# Altium PCB openservo_tessellated.PcbDoc (part 3 of 13) (continued)
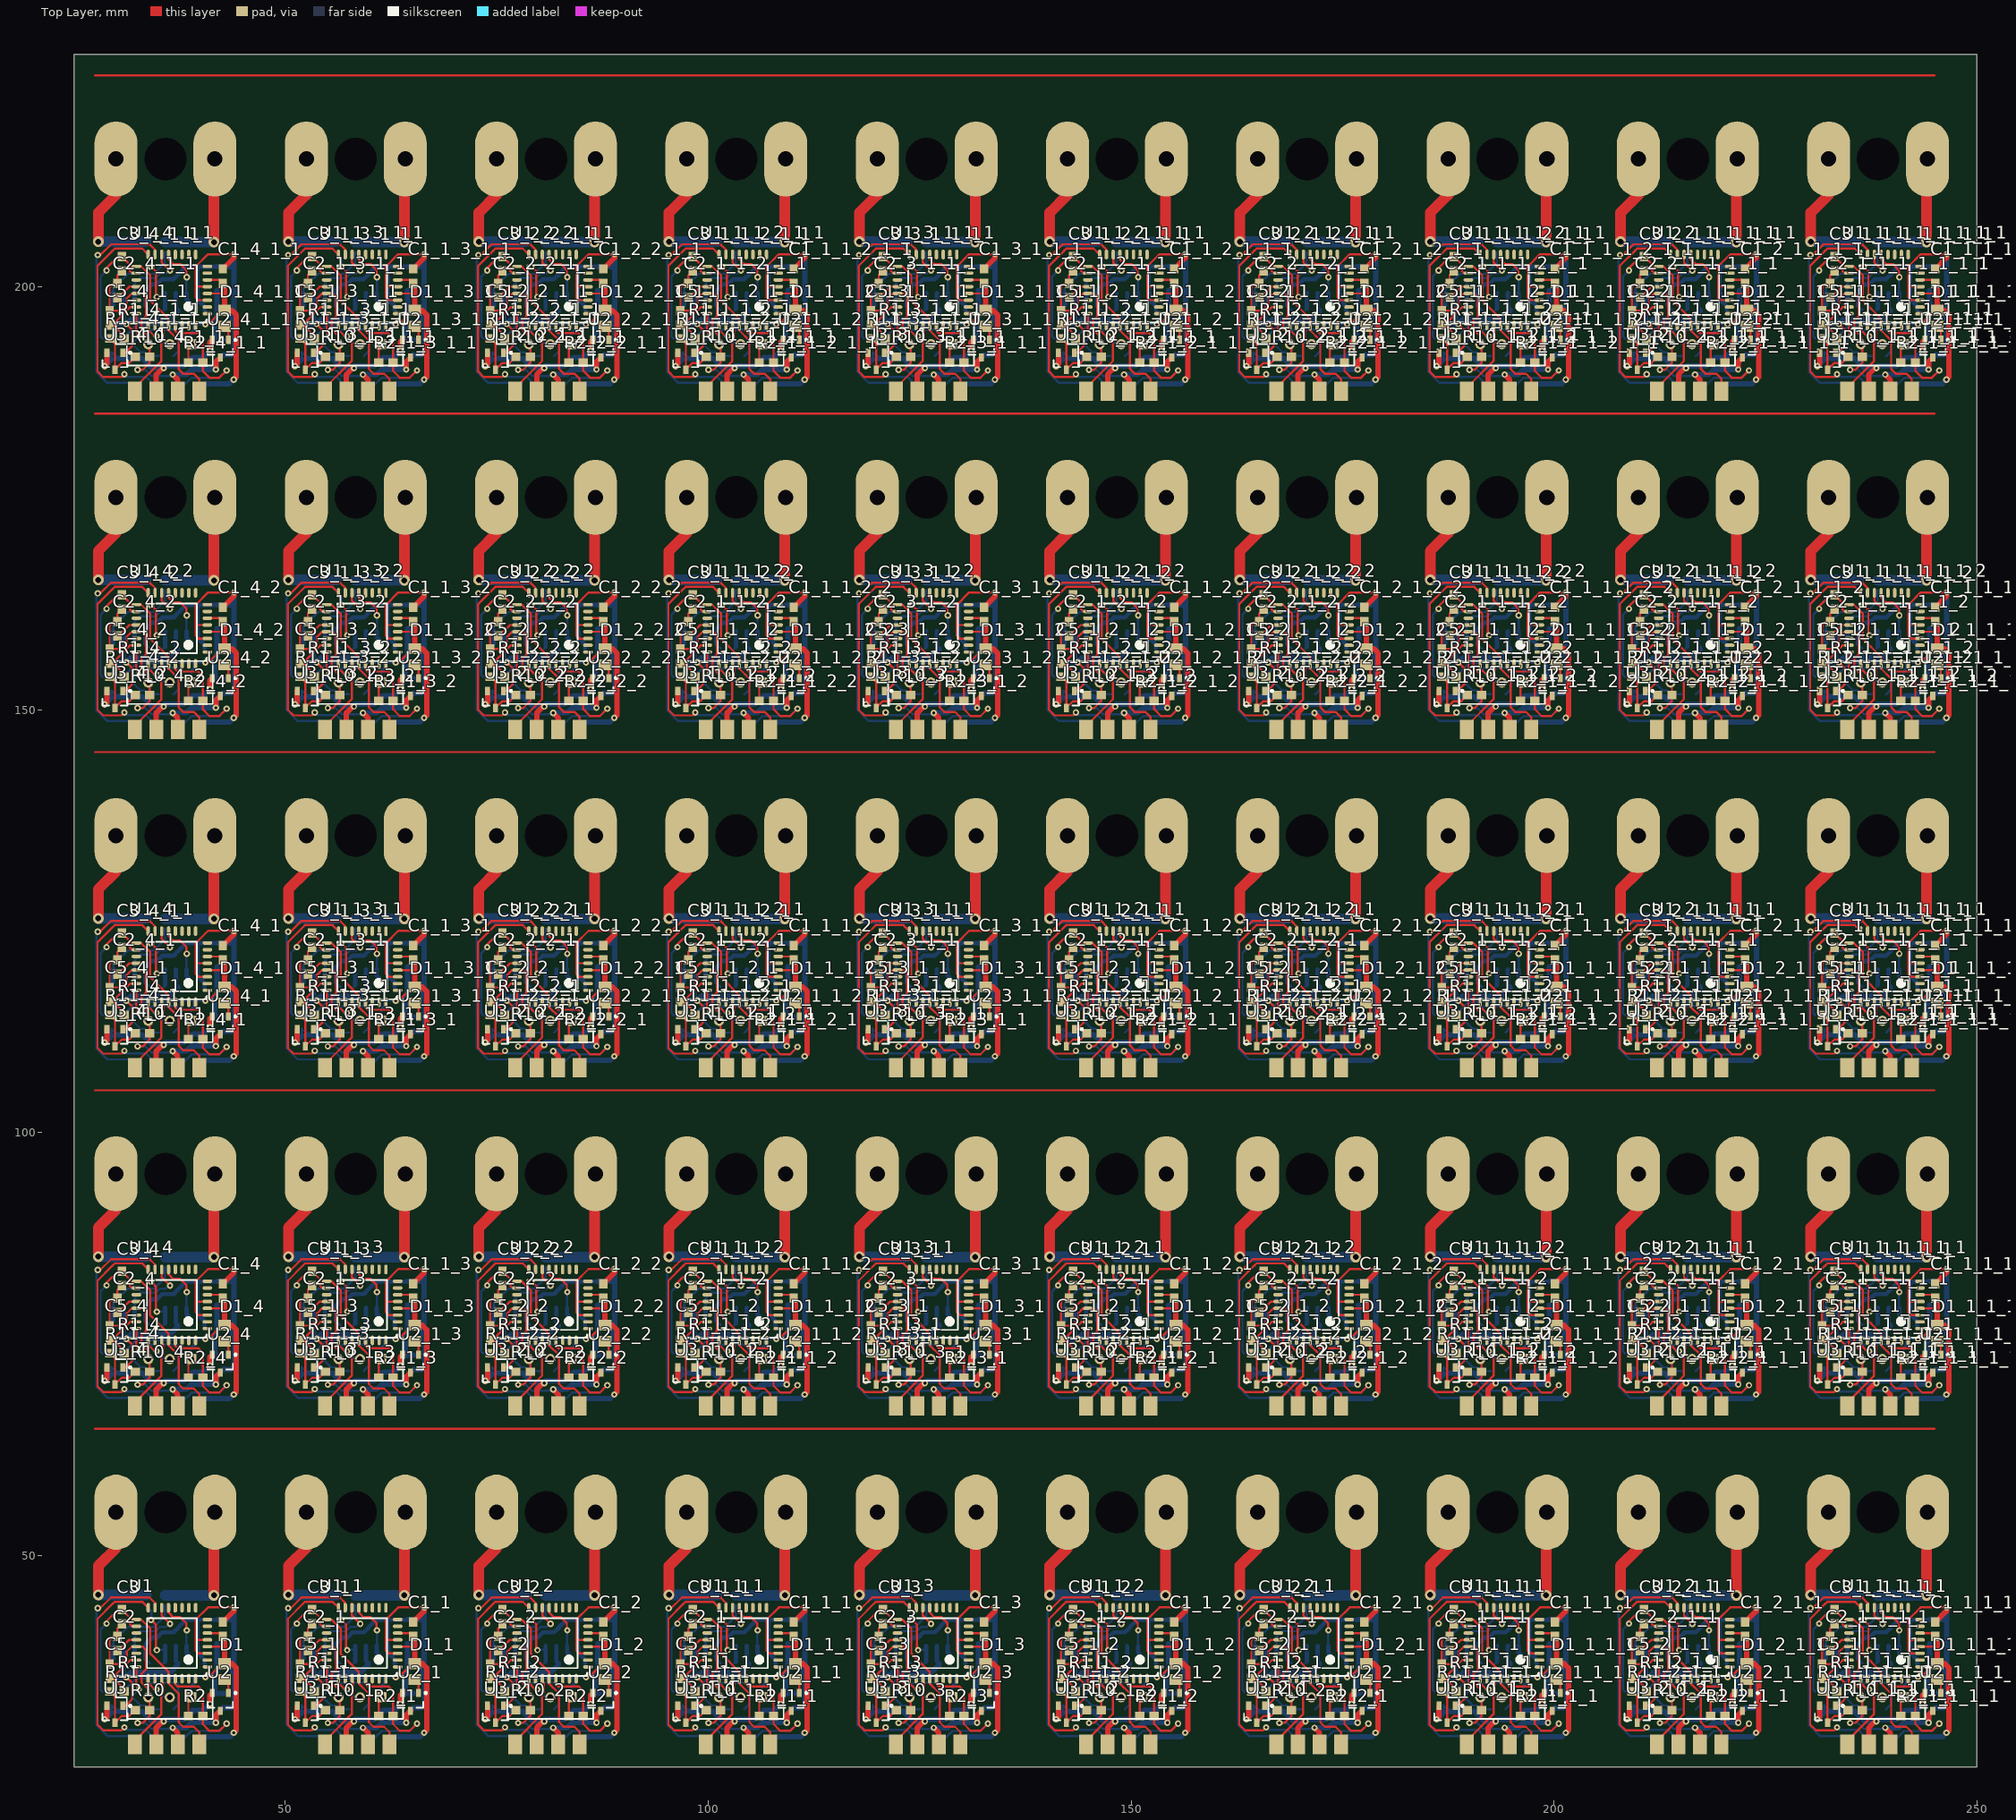
[diagram p0: Top Layer view]
## Part data (continued)
U1 U1_1 U1_1_1 U1_1_1_1 U1_1_1_1_1 U1_1_1_1_1_1 U1_1_1_1_1_1_1 U1_1_1_1_1_1_1_1 U1_1_1_1_1_1_2 U1_1_1_1_2 U1_1_1_1_2_1 U1_1_1_1_2_1_1 U1_1_1_1_2_2 U1_1_1_2 U1_1_1_2_1 U1_1_1_2_1_1 U1_1_1_2_2 U1_1_2 U1_1_2_1 U1_1_2_1_1 U1_1_2_1_1_1 U1_1_2_1_2 U1_1_3 U1_1_3_1 U1_1_3_1_1 U1_1_3_2 U1_2 U1_2_1 U1_2_1_1 U1_2_1_1_1 U1_2_1_1_1_1 U1_2_1_1_1_1_1 U1_2_1_1_1_2 U1_2_1_2 U1_2_1_2_1 U1_2_1_2_1_1 U1_2_1_2_2 U1_2_2 U1_2_2_1 U1_2_2_1_1 U1_2_2_2 U1_3 U1_3_1 U1_3_1_1 U1_3_1_1_1 U1_3_1_2 U1_4 U1_4_1 U1_4_1_1 U1_4_2: "8-Bit AVR Microcontroller with 8K Bytes of In-System Programmable Flash Memory"
U2 U2_1 U2_1_1 U2_1_1_1 U2_1_1_1_1 U2_1_1_1_1_1 U2_1_1_1_1_1_1 U2_1_1_1_1_1_1_1 U2_1_1_1_1_1_2 U2_1_1_1_2 U2_1_1_1_2_1 U2_1_1_1_2_1_1 U2_1_1_1_2_2 U2_1_1_2 U2_1_1_2_1 U2_1_1_2_1_1 U2_1_1_2_2 U2_1_2 U2_1_2_1 U2_1_2_1_1 U2_1_2_1_1_1 U2_1_2_1_2 U2_1_3 U2_1_3_1 U2_1_3_1_1 U2_1_3_2 U2_2 U2_2_1 U2_2_1_1 U2_2_1_1_1 U2_2_1_1_1_1 U2_2_1_1_1_1_1 U2_2_1_1_1_2 U2_2_1_2 U2_2_1_2_1 U2_2_1_2_1_1 U2_2_1_2_2 U2_2_2 U2_2_2_1 U2_2_2_1_1 U2_2_2_2 U2_3 U2_3_1 U2_3_1_1 U2_3_1_1_1 U2_3_1_2 U2_4 U2_4_1 U2_4_1_1 U2_4_2: "100 mA, SOT-23, Quasi Low-Dropout Linear Voltage Regulator"
U3 U3_1 U3_1_1 U3_1_1_1 U3_1_1_1_1 U3_1_1_1_1_1 U3_1_1_1_1_1_1 U3_1_1_1_1_1_1_1 U3_1_1_1_1_1_2 U3_1_1_1_2 U3_1_1_1_2_1 U3_1_1_1_2_1_1 U3_1_1_1_2_2 U3_1_1_2 U3_1_1_2_1 U3_1_1_2_1_1 U3_1_1_2_2 U3_1_2 U3_1_2_1 U3_1_2_1_1 U3_1_2_1_1_1 U3_1_2_1_2 U3_1_3 U3_1_3_1 U3_1_3_1_1 U3_1_3_2 U3_2 U3_2_1 U3_2_1_1 U3_2_1_1_1 U3_2_1_1_1_1 U3_2_1_1_1_1_1 U3_2_1_1_1_2 U3_2_1_2 U3_2_1_2_1 U3_2_1_2_1_1 U3_2_1_2_2 U3_2_2 U3_2_2_1 U3_2_2_1_1 U3_2_2_2 U3_3 U3_3_1 U3_3_1_1 U3_3_1_1_1 U3_3_1_2 U3_4 U3_4_1 U3_4_1_1 U3_4_2: "Header, 3-Pin"

## Free pads (board coordinates)
  rect 1.651x2.286 smd: 0(32.182,27.661) 0(32.182,67.661) 0(32.182,107.661) 0(32.182,147.661) 0(32.182,187.661) 0(34.722,27.661) 0(34.722,67.661) 0(34.722,107.661) 0(34.722,147.661) 0(34.722,187.661) 0(37.262,27.661) 0(37.262,67.661) 0(37.262,107.661) 0(37.262,147.661) 0(37.262,187.661) 0(39.802,27.661) 0(39.802,67.661) 0(39.802,107.661) 0(39.802,147.661) 0(39.802,187.661) 0(54.682,27.661) 0(54.682,67.661) 0(54.682,107.661) 0(54.682,147.661) 0(54.682,187.661) 0(57.222,27.661) 0(57.222,67.661) 0(57.222,107.661) 0(57.222,147.661) 0(57.222,187.661) 0(59.762,27.661) 0(59.762,67.661) 0(59.762,107.661) 0(59.762,147.661) 0(59.762,187.661) 0(62.302,27.661) 0(62.302,67.661) 0(62.302,107.661) 0(62.302,147.661) 0(62.302,187.661) 0(77.182,27.661) 0(77.182,67.661) 0(77.182,107.661) 0(77.182,147.661) 0(77.182,187.661) 0(79.722,27.661) 0(79.722,67.661) 0(79.722,107.661) 0(79.722,147.661) 0(79.722,187.661) 0(82.262,27.661) 0(82.262,67.661) 0(82.262,107.661) 0(82.262,147.661) 0(82.262,187.661) 0(84.802,27.661) 0(84.802,67.661) 0(84.802,107.661) 0(84.802,147.661) 0(84.802,187.661) 0(99.682,27.661) 0(99.682,67.661) 0(99.682,107.661) 0(99.682,147.661) 0(99.682,187.661) 0(102.222,27.661) 0(102.222,67.661) 0(102.222,107.661) 0(102.222,147.661) 0(102.222,187.661) 0(104.762,27.661) 0(104.762,67.661) 0(104.762,107.661) 0(104.762,147.661) 0(104.762,187.661) 0(107.302,27.661) 0(107.302,67.661) 0(107.302,107.661) 0(107.302,147.661) 0(107.302,187.661) 0(122.182,27.661) 0(122.182,67.661) 0(122.182,107.661) 0(122.182,147.661) 0(122.182,187.661) 0(124.722,27.661) 0(124.722,67.661) 0(124.722,107.661) 0(124.722,147.661) 0(124.722,187.661) 0(127.262,27.661) 0(127.262,67.661) 0(127.262,107.661) 0(127.262,147.661) 0(127.262,187.661) 0(129.802,27.661) 0(129.802,67.661) 0(129.802,107.661) 0(129.802,147.661) 0(129.802,187.661) 0(144.682,27.661) 0(144.682,67.661) 0(144.682,107.661) 0(144.682,147.661) 0(144.682,187.661) 0(147.222,27.661) 0(147.222,67.661) 0(147.222,107.661) 0(147.222,147.661) 0(147.222,187.661) 0(149.762,27.661) 0(149.762,67.661) 0(149.762,107.661) 0(149.762,147.661) 0(149.762,187.661) 0(152.302,27.661) 0(152.302,67.661) 0(152.302,107.661) 0(152.302,147.661) 0(152.302,187.661) 0(167.182,27.661) 0(167.182,67.661) 0(167.182,107.661) 0(167.182,147.661) 0(167.182,187.661) 0(169.722,27.661) 0(169.722,67.661) 0(169.722,107.661) 0(169.722,147.661) 0(169.722,187.661) 0(172.262,27.661) 0(172.262,67.661) 0(172.262,107.661) 0(172.262,147.661) 0(172.262,187.661) 0(174.802,27.661) 0(174.802,67.661) 0(174.802,107.661) 0(174.802,147.661) 0(174.802,187.661) 0(189.682,27.661) 0(189.682,67.661) 0(189.682,107.661) 0(189.682,147.661) 0(189.682,187.661) 0(192.222,27.661) 0(192.222,67.661) 0(192.222,107.661) 0(192.222,147.661) 0(192.222,187.661) 0(194.762,27.661) 0(194.762,67.661) 0(194.762,107.661) 0(194.762,147.661) 0(194.762,187.661) 0(197.302,27.661) 0(197.302,67.661) 0(197.302,107.661) 0(197.302,147.661) 0(197.302,187.661) 0(212.182,27.661) 0(212.182,67.661) 0(212.182,107.661) 0(212.182,147.661) 0(212.182,187.661) 0(214.722,27.661) 0(214.722,67.661) 0(214.722,107.661) 0(214.722,147.661) 0(214.722,187.661) 0(217.262,27.661) 0(217.262,67.661) 0(217.262,107.661) 0(217.262,147.661) 0(217.262,187.661) 0(219.802,27.661) 0(219.802,67.661) 0(219.802,107.661) 0(219.802,147.661) 0(219.802,187.661) 0(234.682,27.661) 0(234.682,67.661) 0(234.682,107.661) 0(234.682,147.661) 0(234.682,187.661) 0(237.222,27.661) 0(237.222,67.661) 0(237.222,107.661) 0(237.222,147.661) 0(237.222,187.661) 0(239.762,27.661) 0(239.762,67.661) 0(239.762,107.661) 0(239.762,147.661) 0(239.762,187.661) 0(242.302,27.661) 0(242.302,67.661) 0(242.302,107.661) 0(242.302,147.661) 0(242.302,187.661)
  rect 1.651x2.286 smd far side: 0(32.182,27.661) 0(32.182,67.661) 0(32.182,107.661) 0(32.182,147.661) 0(32.182,187.661) 0(34.722,27.661) 0(34.722,67.661) 0(34.722,107.661) 0(34.722,147.661) 0(34.722,187.661) 0(37.262,27.661) 0(37.262,67.661) 0(37.262,107.661) 0(37.262,147.661) 0(37.262,187.661) 0(39.802,27.661) 0(39.802,67.661) 0(39.802,107.661) 0(39.802,147.661) 0(39.802,187.661) 0(54.682,27.661) 0(54.682,67.661) 0(54.682,107.661) 0(54.682,147.661) 0(54.682,187.661) 0(57.222,27.661) 0(57.222,67.661) 0(57.222,107.661) 0(57.222,147.661) 0(57.222,187.661) 0(59.762,27.661) 0(59.762,67.661) 0(59.762,107.661) 0(59.762,147.661) 0(59.762,187.661) 0(62.302,27.661) 0(62.302,67.661) 0(62.302,107.661) 0(62.302,147.661) 0(62.302,187.661) 0(77.182,27.661) 0(77.182,67.661) 0(77.182,107.661) 0(77.182,147.661) 0(77.182,187.661) 0(79.722,27.661) 0(79.722,67.661) 0(79.722,107.661) 0(79.722,147.661) 0(79.722,187.661) 0(82.262,27.661) 0(82.262,67.661) 0(82.262,107.661) 0(82.262,147.661) 0(82.262,187.661) 0(84.802,27.661) 0(84.802,67.661) 0(84.802,107.661) 0(84.802,147.661) 0(84.802,187.661) 0(99.682,27.661) 0(99.682,67.661) 0(99.682,107.661) 0(99.682,147.661) 0(99.682,187.661) 0(102.222,27.661) 0(102.222,67.661) 0(102.222,107.661) 0(102.222,147.661) 0(102.222,187.661) 0(104.762,27.661) 0(104.762,67.661) 0(104.762,107.661) 0(104.762,147.661) 0(104.762,187.661) 0(107.302,27.661) 0(107.302,67.661) 0(107.302,107.661) 0(107.302,147.661) 0(107.302,187.661) 0(122.182,27.661) 0(122.182,67.661) 0(122.182,107.661) 0(122.182,147.661) 0(122.182,187.661) 0(124.722,27.661) 0(124.722,67.661) 0(124.722,107.661) 0(124.722,147.661) 0(124.722,187.661) 0(127.262,27.661) 0(127.262,67.661) 0(127.262,107.661) 0(127.262,147.661) 0(127.262,187.661) 0(129.802,27.661) 0(129.802,67.661) 0(129.802,107.661) 0(129.802,147.661) 0(129.802,187.661) 0(144.682,27.661) 0(144.682,67.661) 0(144.682,107.661) 0(144.682,147.661) 0(144.682,187.661) 0(147.222,27.661) 0(147.222,67.661) 0(147.222,107.661) 0(147.222,147.661) 0(147.222,187.661) 0(149.762,27.661) 0(149.762,67.661) 0(149.762,107.661) 0(149.762,147.661) 0(149.762,187.661) 0(152.302,27.661) 0(152.302,67.661) 0(152.302,107.661) 0(152.302,147.661) 0(152.302,187.661) 0(167.182,27.661) 0(167.182,67.661) 0(167.182,107.661) 0(167.182,147.661) 0(167.182,187.661) 0(169.722,27.661) 0(169.722,67.661) 0(169.722,107.661) 0(169.722,147.661) 0(169.722,187.661) 0(172.262,27.661) 0(172.262,67.661) 0(172.262,107.661) 0(172.262,147.661) 0(172.262,187.661) 0(174.802,27.661) 0(174.802,67.661) 0(174.802,107.661) 0(174.802,147.661) 0(174.802,187.661) 0(189.682,27.661) 0(189.682,67.661) 0(189.682,107.661) 0(189.682,147.661) 0(189.682,187.661) 0(192.222,27.661) 0(192.222,67.661) 0(192.222,107.661) 0(192.222,147.661) 0(192.222,187.661) 0(194.762,27.661) 0(194.762,67.661) 0(194.762,107.661) 0(194.762,147.661) 0(194.762,187.661) 0(197.302,27.661) 0(197.302,67.661) 0(197.302,107.661) 0(197.302,147.661) 0(197.302,187.661) 0(212.182,27.661) 0(212.182,67.661) 0(212.182,107.661) 0(212.182,147.661) 0(212.182,187.661) 0(214.722,27.661) 0(214.722,67.661) 0(214.722,107.661) 0(214.722,147.661) 0(214.722,187.661) 0(217.262,27.661) 0(217.262,67.661) 0(217.262,107.661) 0(217.262,147.661) 0(217.262,187.661) 0(219.802,27.661) 0(219.802,67.661) 0(219.802,107.661) 0(219.802,147.661) 0(219.802,187.661) 0(234.682,27.661) 0(234.682,67.661) 0(234.682,107.661) 0(234.682,147.661) 0(234.682,187.661) 0(237.222,27.661) 0(237.222,67.661) 0(237.222,107.661) 0(237.222,147.661) 0(237.222,187.661) 0(239.762,27.661) 0(239.762,67.661) 0(239.762,107.661) 0(239.762,147.661) 0(239.762,187.661) 0(242.302,27.661) 0(242.302,67.661) 0(242.302,107.661) 0(242.302,147.661) 0(242.302,187.661)
  oval 5.08x8.89 hole 1.8: 1(29.972,55.118) 1(29.972,95.118) 1(29.972,135.118) 1(29.972,175.118) 1(29.972,215.118) 1(41.656,55.118) 1(41.656,95.118) 1(41.656,135.118) 1(41.656,175.118) 1(41.656,215.118) 1(52.472,55.118) 1(52.472,95.118) 1(52.472,135.118) 1(52.472,175.118) 1(52.472,215.118) 1(64.156,55.118) 1(64.156,95.118) 1(64.156,135.118) 1(64.156,175.118) 1(64.156,215.118) 1(74.972,55.118) 1(74.972,95.118) 1(74.972,135.118) 1(74.972,175.118) 1(74.972,215.118) 1(86.656,55.118) 1(86.656,95.118) 1(86.656,135.118) 1(86.656,175.118) 1(86.656,215.118) 1(97.472,55.118) 1(97.472,95.118) 1(97.472,135.118) 1(97.472,175.118) 1(97.472,215.118) 1(109.156,55.118) 1(109.156,95.118) 1(109.156,135.118) 1(109.156,175.118) 1(109.156,215.118) 1(119.972,55.118) 1(119.972,95.118) 1(119.972,135.118) 1(119.972,175.118) 1(119.972,215.118) 1(131.656,55.118) 1(131.656,95.118) 1(131.656,135.118) 1(131.656,175.118) 1(131.656,215.118) 1(142.472,55.118) 1(142.472,95.118) 1(142.472,135.118) 1(142.472,175.118) 1(142.472,215.118) 1(154.156,55.118) 1(154.156,95.118) 1(154.156,135.118) 1(154.156,175.118) 1(154.156,215.118) 1(164.972,55.118) 1(164.972,95.118) 1(164.972,135.118) 1(164.972,175.118) 1(164.972,215.118) 1(176.656,55.118) 1(176.656,95.118) 1(176.656,135.118) 1(176.656,175.118) 1(176.656,215.118) 1(187.472,55.118) 1(187.472,95.118) 1(187.472,135.118) 1(187.472,175.118) 1(187.472,215.118) 1(199.156,55.118) 1(199.156,95.118) 1(199.156,135.118) 1(199.156,175.118) 1(199.156,215.118) 1(209.972,55.118) 1(209.972,95.118) 1(209.972,135.118) 1(209.972,175.118) 1(209.972,215.118) 1(221.656,55.118) 1(221.656,95.118) 1(221.656,135.118) 1(221.656,175.118) 1(221.656,215.118) 1(232.472,55.118) 1(232.472,95.118) 1(232.472,135.118) 1(232.472,175.118) 1(232.472,215.118) 1(244.156,55.118) 1(244.156,95.118) 1(244.156,135.118) 1(244.156,175.118) 1(244.156,215.118)
  round 1.524 hole 5: 2(35.814,55.118) 2(35.814,95.118) 2(35.814,135.118) 2(35.814,175.118) 2(35.814,215.118) 2(58.314,55.118) 2(58.314,95.118) 2(58.314,135.118) 2(58.314,175.118) 2(58.314,215.118) 2(80.814,55.118) 2(80.814,95.118) 2(80.814,135.118) 2(80.814,175.118) 2(80.814,215.118) 2(103.314,55.118) 2(103.314,95.118) 2(103.314,135.118) 2(103.314,175.118) 2(103.314,215.118) 2(125.814,55.118) 2(125.814,95.118) 2(125.814,135.118) 2(125.814,175.118) 2(125.814,215.118) 2(148.314,55.118) 2(148.314,95.118) 2(148.314,135.118) 2(148.314,175.118) 2(148.314,215.118) 2(170.814,55.118) 2(170.814,95.118) 2(170.814,135.118) 2(170.814,175.118) 2(170.814,215.118) 2(193.314,55.118) 2(193.314,95.118) 2(193.314,135.118) 2(193.314,175.118) 2(193.314,215.118) 2(215.814,55.118) 2(215.814,95.118) 2(215.814,135.118) 2(215.814,175.118) 2(215.814,215.118) 2(238.314,55.118) 2(238.314,95.118) 2(238.314,135.118) 2(238.314,175.118) 2(238.314,215.118)

## Via types
v1: diameter 0.762, hole 0.35, Top Layer to Bottom Layer, 1000 vias
v2: diameter 1.27, hole 0.7, Top Layer to Bottom Layer, 100 vias

## Nets (pads, with @x,y where several pads share a name; then routed paths per layer and width w, separated by ;. In a path a pad name is that pad's centre, name@x,y a point inside that pad or via, vN(x,y) a via of type N, cw(c..) or ccw(c..) an arc to the next point about the centre after c; other vN are vias at no path point)
CURRENT: C5.1 R11.2 U1.23 | length 6.3
  Top Layer w0.254: C5.1@29.21,35.472 29.503,35.472 31.655,37.624 U1.23@32.376,37.624 ; C5.1@29.513,35.624 R11.2@31.076,34.061
GND: C1.2 C2.2 C3.2 C4.2 C5.2 C6.2 C7.2 C8.1 pad.0@37.262,27.661 Q1.1 Q2.1 R1.3 R4.1 R5.1 R6.1 R10.1 U1.3 U1.5 U1.21 U2.3 | length 93.5
  Top Layer w0.254: C3.2@30.658,41.898 30.15,41.39 C2.2@30.15,40.423 30.123,40.45 29.706,40.45 29.21,39.954 C5.2@29.21,37.172 30.485,37.172 31.242,37.929 31.242,38.633 31.833,39.224 U1.21@32.376,39.224 33.115,39.224 33.506,38.833 33.506,36.527 32.995,36.015 32.995,34.969 33.833,34.13 R1.3@33.833,33.274 ; v1(32.512,30.201) 33.122,30.201 33.946,31.025 33.946,33.161 R1.3@33.833,33.274 ; R1.3@33.757,33.35 R1.3@33.833,33.274 ; U1.5@40.744,40.056 U1.5@40.776,40.024 39.395,40.024 ; U1.3@40.776,38.424 39.732,38.424 39.395,38.76 39.395,40.024 ; v1(43.917,43.866) 40.846,43.866 39.395,42.416 39.395,40.024
  Top Layer w0.635: v1(36.665,29.629) 37.262,29.032 pad.0@37.262,27.788 ; v1(41.783,30.226) 41.783,31.132 U2.3@42.291,31.64 ; C1.2@42.596,42.125 43.917,43.446 v1(43.917,43.866)
  Bottom Layer w0.254: v1(32.512,30.201) 33.426,30.201 34.15,29.477 v1@36.487,29.477 ; 33.452,37.756 R6.1@33.972,37.236 ; Q2.1@33.452,39.332 33.452,39.526 Q2.1@33.523,39.598 ; R1.3@33.757,33.35 33.757,34.467 34.248,34.958 36.86,34.958 36.992,35.09 37.085,35.09 37.352,34.823 37.352,32.412 R4.1@36.766,31.826 ; Q1.1@39.573,39.307 Q1.1@39.654,39.226 ; 39.573,42.37 39.599,42.396 ; 43.837,42.396 43.917,42.316
  Bottom Layer w0.508: 33.452,37.756 Q2.1@33.452,39.332 ; Q2.1@33.523,39.598 34.223,40.297 34.811,40.297 35.429,40.915 36.775,40.915 37.376,41.516 37.376,41.543 38.229,42.396 39.599,42.396 C8.1@41.935,42.396 ; Q1.1@39.573,39.307 39.573,42.37 ; Q1.1@39.654,39.226 39.654,38.476 40.423,37.707 R5.1@40.423,37.236
  Bottom Layer w0.635: 37.735,29.629 v1(36.665,29.629) 36.678,29.642 38.288,29.642 38.872,30.226 v1(41.783,30.226) 41.783,31.103 C7.2@42.672,31.992 43.575,31.992 43.993,32.41 43.993,35.978 C6.2@43.624,36.347 43.917,36.64 43.917,42.316 v1(43.917,43.866) ; C8.1@41.935,42.396 43.837,42.396
M+: pad.1@29.972,55.118 Q1.4 Q2.5 Q2.6 Q2.7 Q2.8 R7.1 | length 25.9
  Top Layer w0.254: v1(34.106,42.376) 34.129,42.376 34.671,41.834 34.671,38.811 v1(34.798,38.811)
  Top Layer w1.27: v2(27.864,45.339) 27.864,48.768 29.972,50.876 pad.1@29.972,55.118
  Bottom Layer w0.254: Q2.8@33.452,44.132 34.138,43.446 34.138,42.408 v1(34.106,42.376) ; v1(34.798,38.811) 34.671,38.811 34.671,38.9 34.633,38.862 Q1.4@35.763,38.862 ; R7.1@35.574,37.236 R7.1@35.763,37.426
  Bottom Layer w0.508: R7.1@35.763,37.426 Q1.4@35.763,39.307
  Bottom Layer w1.27: v2(27.864,45.339) 33.528,45.339
M-: pad.1@41.656,55.118 Q1.5 Q1.6 Q1.7 Q1.8 Q2.4 R8.1 | length 27.1
  Top Layer w0.254: pad.1@41.554,55.016 pad.1@41.656,55.118
  Top Layer w1.27: v2(41.554,45.288) pad.1@41.554,55.016
  Bottom Layer w0.254: R8.1@29.122,37.236 29.642,37.756 ; Q2.4@29.642,39.332 29.642,39.825 31.367,41.551 34.448,41.551 34.955,42.058 34.972,42.058 35.763,42.849 Q1.5@35.763,44.107
  Bottom Layer w0.508: 29.642,37.756 Q2.4@29.642,39.332
  Bottom Layer w1.27: 35.763,45.288 v2(41.554,45.288)
MISO: pad.0@34.722,27.661 U1.16 | length 28.1
  Top Layer w0.254: 29.574,44.306 29.599,44.306 27.788,42.495 27.788,29.997 28.449,29.336 30.631,29.336 v1(30.963,29.667) ; 29.599,44.306 29.822,44.529 33.071,44.529 U1.16@33.776,43.824
  Bottom Layer w0.254: v1(30.963,29.667) 31.267,29.362 33.528,29.362 34.722,28.169 pad.0@34.722,27.661
MOSI: pad.0@32.182,27.661 U1.15 | length 27.7
  Top Layer w0.254: v1(27.813,43.764) 28.118,43.764 29.391,45.037 33.931,45.037 34.576,44.393 U1.15@34.576,43.824
  Bottom Layer w0.254: v1(27.813,43.764) 27.635,43.586 27.635,29.972 28.956,28.651 31.547,28.651 32.182,28.016 pad.0@32.182,27.661
NetC2_1: C2.1 U1.20 | length 2.8
  Top Layer w0.254: C2.1@30.15,38.723 30.24,38.723 31.54,40.024 U1.20@32.376,40.024
NetD1_1: D1.1 U2.1 | length 1.1
  Top Layer w0.254: U2.1@43.241,33.74 D1.1@43.241,34.879
NetQ1_3: Q1.3 Q2.3 R7.2 R8.2 R9.2 U3.1 | length 19.2
  Top Layer w0.254: U3.1@30.795,32.217 31.099,32.217 31.855,32.972 31.855,34.947 v1(31.191,35.611)
  Bottom Layer w0.254: R9.2@29.439,35.08 R9.2@29.969,35.611 ; 30.822,35.98 v1(31.191,35.611) 31.496,35.916 ; R8.2@30.822,37.236 R8.2@30.912,37.326 ; R7.2@37.033,37.477 R7.2@37.274,37.236
  Bottom Layer w0.508: R8.2@30.912,37.326 Q2.3@30.912,39.332 ; R7.2@37.033,37.477 Q1.3@37.033,39.307
  Bottom Layer w0.635: R9.2@29.969,35.611 v1(31.191,35.611) ; 30.822,35.98 R8.2@30.822,37.236 ; 31.496,35.916 31.745,36.165 36.36,36.165 37.274,37.078 R7.2@37.274,37.236
NetR10_2: R10.2 R11.1 U3.3 | length 7
  Top Layer w0.254: R11.1@29.224,33.909 29.845,33.288 U3.3@29.845,30.217 30.642,31.013 31.535,31.013 R10.2@32.246,31.725
POSITION: R1.2 U1.25 | length 3.8
  Top Layer w0.254: U1.25@33.776,35.424 33.776,34.906 34.417,34.265 34.722,34.265 34.797,34.189 34.797,34.188 v1(34.773,34.163)
  Bottom Layer w0.254: v1(34.773,34.163) 34.78,34.163 34.81,34.133 34.81,34.176 35.636,33.35 R1.2@36.297,33.35
PWM_A: Q1.2 R5.2 U1.13 | length 8.1
  Top Layer w0.254: U1.13@36.176,43.824 36.176,43.252 36.734,42.694 37.57,42.694 38.28,41.984 v1@38.28,41.148
  Bottom Layer w0.254: Q1.2@38.303,39.307 v1@38.303,41.123 ; R5.2@38.506,37.453 R5.2@38.723,37.236
  Bottom Layer w0.508: Q1.2@38.303,39.307 38.303,38.534 38.506,38.331 R5.2@38.506,37.453
  other v1: 38.329,41.148
PWM_B: Q2.2 R6.2 U1.14 | length 10.3
  Top Layer w0.254: U1.14@35.376,43.824 35.376,42.881 v1(36.347,41.91)
  Bottom Layer w0.254: R6.2@32.182,37.326 R6.2@32.272,37.236 ; Q2.2@32.182,39.332 32.182,40.411 32.813,41.043 34.658,41.043 35.165,41.55 35.841,41.55 36.201,41.91 v1(36.347,41.91)
  Bottom Layer w0.508: R6.2@32.182,37.326 Q2.2@32.182,39.332
RESET: pad.0@37.262,27.661 R2.1 U1.29 | length 18.5
  Top Layer w0.254: U1.29@36.976,35.424 36.976,34.779 37.233,34.522 39.671,34.522 40.22,33.973 R2.1@40.22,31.039 40.22,30.062 41.021,29.261 42.189,29.261 v1(43.053,30.124)
  Bottom Layer w0.254: pad.0@37.262,27.661 37.294,27.661 38.882,29.248 42.177,29.248 v1(43.053,30.124)
SCL: pad.0@39.802,27.661 U1.17 U1.28 | length 18.9
  Top Layer w0.254: U1.17@32.376,42.424 32.948,42.424 34.014,41.358 34.014,38.39 36.176,36.229 U1.28@36.176,35.424 36.176,34.858 37.363,33.671 37.363,30.277 37.897,29.743 39.167,29.743 39.802,29.108 pad.0@39.802,27.661
SDA: pad.0@32.182,27.661 U1.27 | length 9.2
  Top Layer w0.254: pad.0@32.182,27.661 32.182,28.09 35.341,31.249 35.341,33.63 35.535,33.823 35.535,34.919 35.376,35.077 U1.27@35.376,35.424
VBAT: C6.1 C7.1 C8.2 pad.0@34.722,27.661 R3.2 R9.1 U2.2 U3.2 | length 30.1
  Top Layer w0.254: v1@35.408,30.328 35.458,30.378 v1(35.611,30.378)
  Top Layer w0.635: v1(28.626,30.632) 28.895,30.902 U3.2@28.895,32.217 ; pad.0@34.722,27.788 34.722,29.642 v1@35.408,30.328 ; v1(41.072,32.436) 41.072,33.471 U2.2@41.341,33.74
  Bottom Layer w0.254: 29.439,31.445 R9.1@29.439,32.28 R9.1@30.159,31.56 ; v1(35.611,30.378) 35.56,30.378 35.535,30.404 35.535,30.455 v1@35.725,30.645 ; C6.1@41.668,36.092 C6.1@41.924,36.347
  Bottom Layer w0.635: v1(28.626,30.632) 29.439,31.445 ; R9.1@30.159,31.56 33.07,31.56 34.252,30.378 v1@35.56,30.378 ; v1@35.725,30.645 38.034,30.645 39.063,31.674 40.31,31.674 v1(41.072,32.436) 41.072,33.096 41.668,33.692 ; C6.1@41.668,36.092 41.668,33.692 ; C6.1@41.924,36.347 C8.2@41.924,39.584 ; C7.1@42.672,33.692 41.668,33.692
VOLTAGE: R3.1 R4.2 U1.24 | length 7.8
  Top Layer w0.254: U1.24@32.376,36.824 32.376,34.68 32.741,34.315 32.741,34.265 v1(32.639,34.163)
  Bottom Layer w0.254: v1(32.639,34.163) 32.639,34.112 31.884,33.358 31.884,33.26 32.886,32.259 33.359,32.259 33.792,31.826 R4.2@35.066,31.826
VREG: C1.1 C3.1 C4.1 D1.2 pad.0@39.802,27.661 R1.1 R2.2 U1.4 U1.6 U1.18 | length 56.1
  Top Layer w0.254: v1(28.854,41.935) 28.854,42.24 30.212,43.598 C3.1@30.658,43.598 31.601,42.655 31.601,41.881 31.858,41.624 U1.18@32.376,41.624 ; R2.2@38.52,31.039 38.52,33.034 R1.1@38.837,33.35 ; v1(40.538,35.585) 40.869,35.585 42.504,37.221 D1.2@42.799,37.221 ; U1.4@40.776,39.224 42.78,39.224 ; U1.6@40.776,40.824 42.197,40.824 C1.1@42.596,40.425 C1.1@42.799,40.222
  Top Layer w0.635: C1.1@42.799,40.222 D1.2@42.799,37.221 43.678,37.221 44.196,36.703 44.196,29.337 v1(43.891,29.032)
  Bottom Layer w0.254: v1(28.854,41.935) 28.158,41.239 28.158,34.123 28.381,33.899 30.496,33.899 30.534,33.937 30.864,33.937 32.393,35.466 36.65,35.466 36.781,35.598 v1@40.526,35.598 ; R1.1@38.837,33.35 38.837,34.608 C4.1@39.052,34.823 ; C4.1@39.153,34.595 39.153,35.584
  Bottom Layer w0.635: pad.0@39.802,27.788 40.564,28.55 43.409,28.55 v1(43.891,29.032)